# Altium PCB I2C_ESP32_Module.pcbdoc
Units mm, origin at the board's own origin, x right, y up, seen from the top; angles counter-clockwise.
Board outline 31.15 x 20.13 mm, 4 copper layers (Top Layer, L1, L2, Bottom Layer), stack 1.873 mm thick; 24 components, 26 nets, 171 pads, 39 vias.
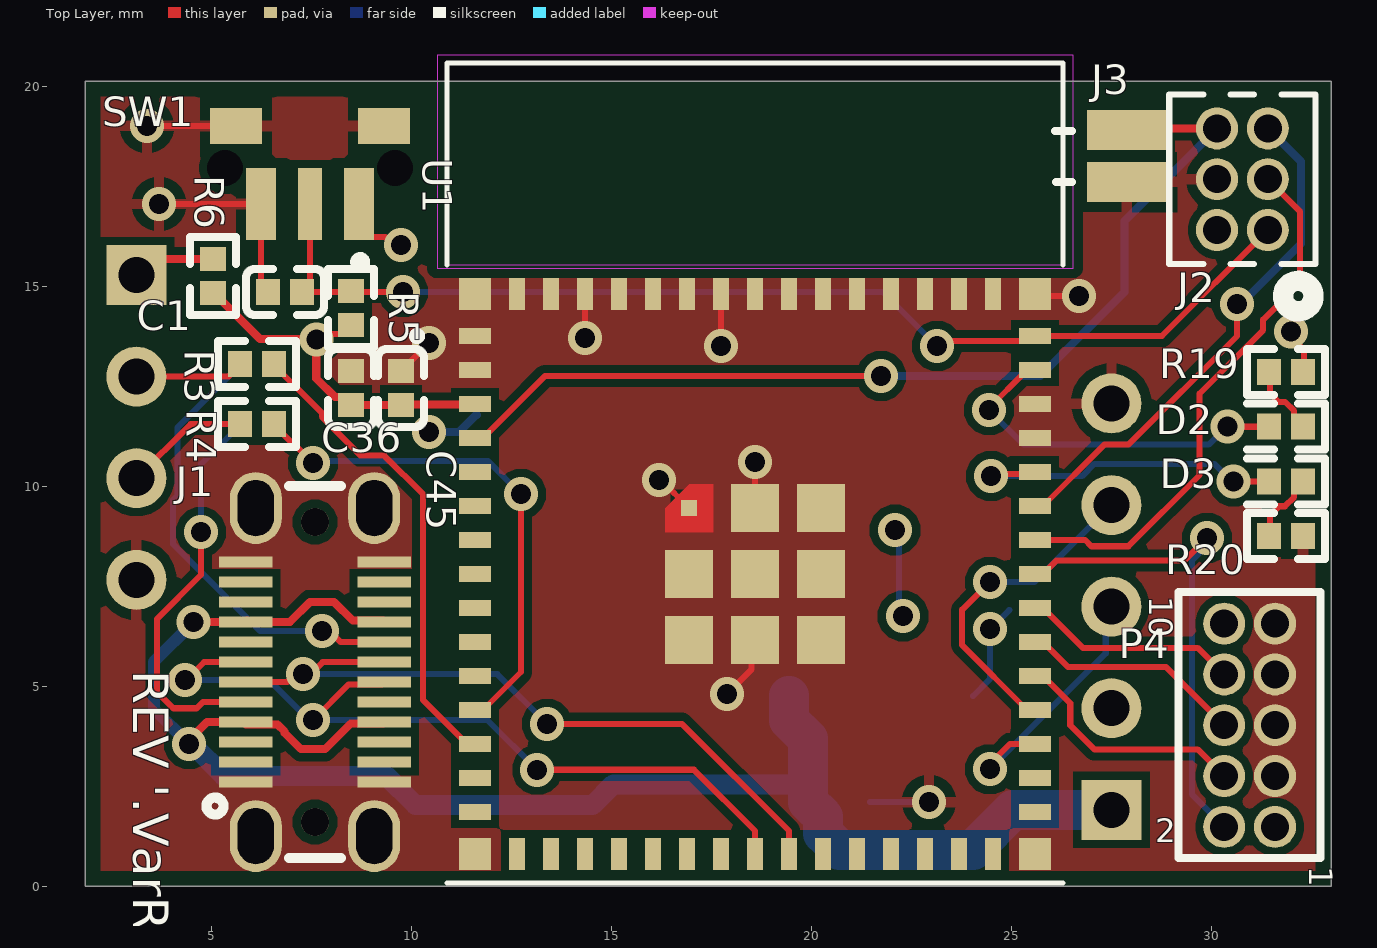
[diagram p0: Top Layer view]
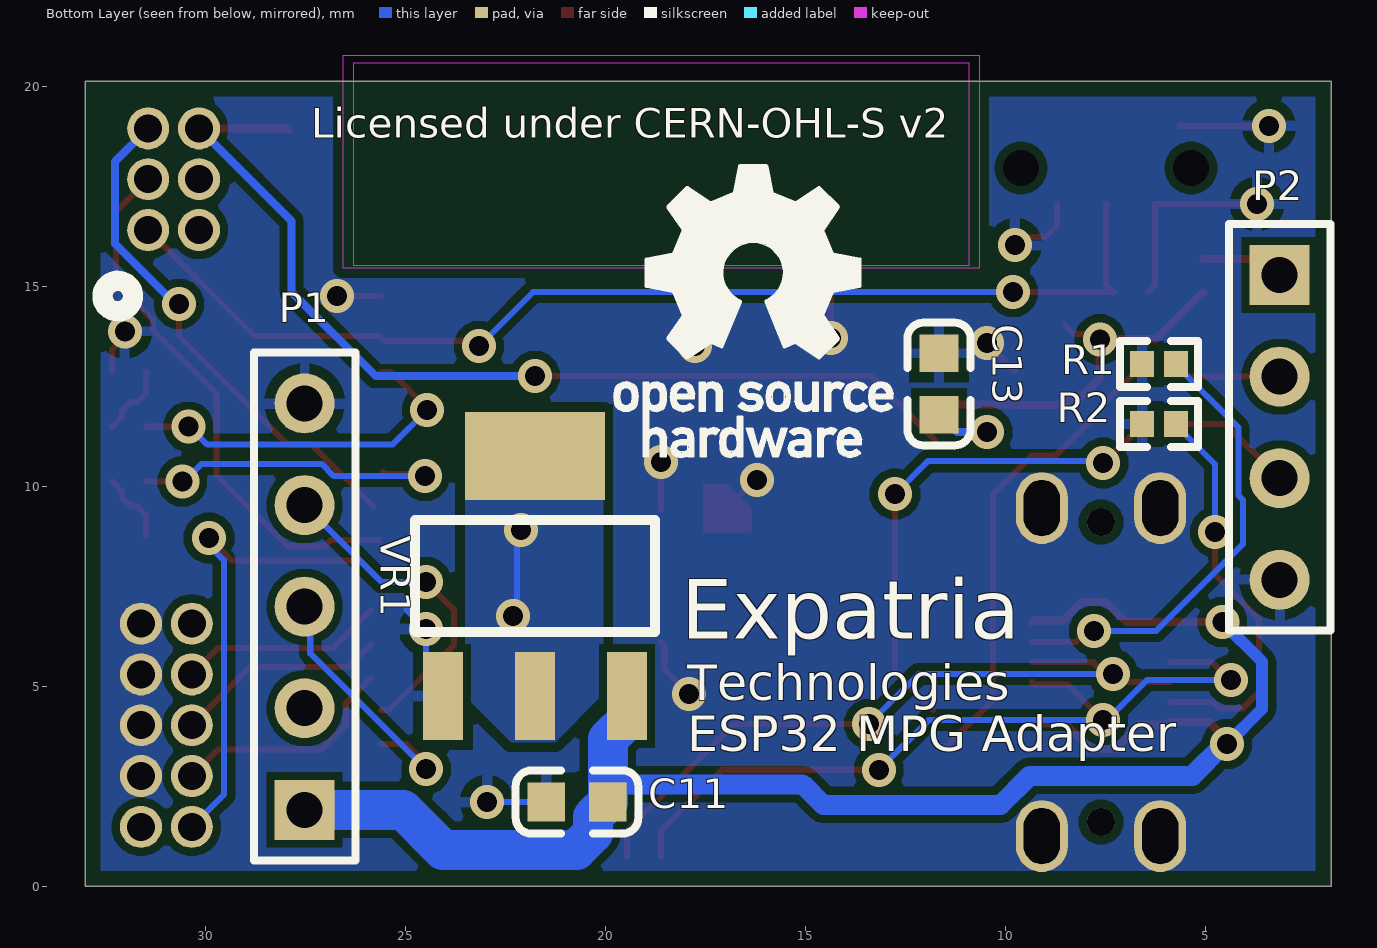
[diagram p1: Bottom Layer view, seen from below]
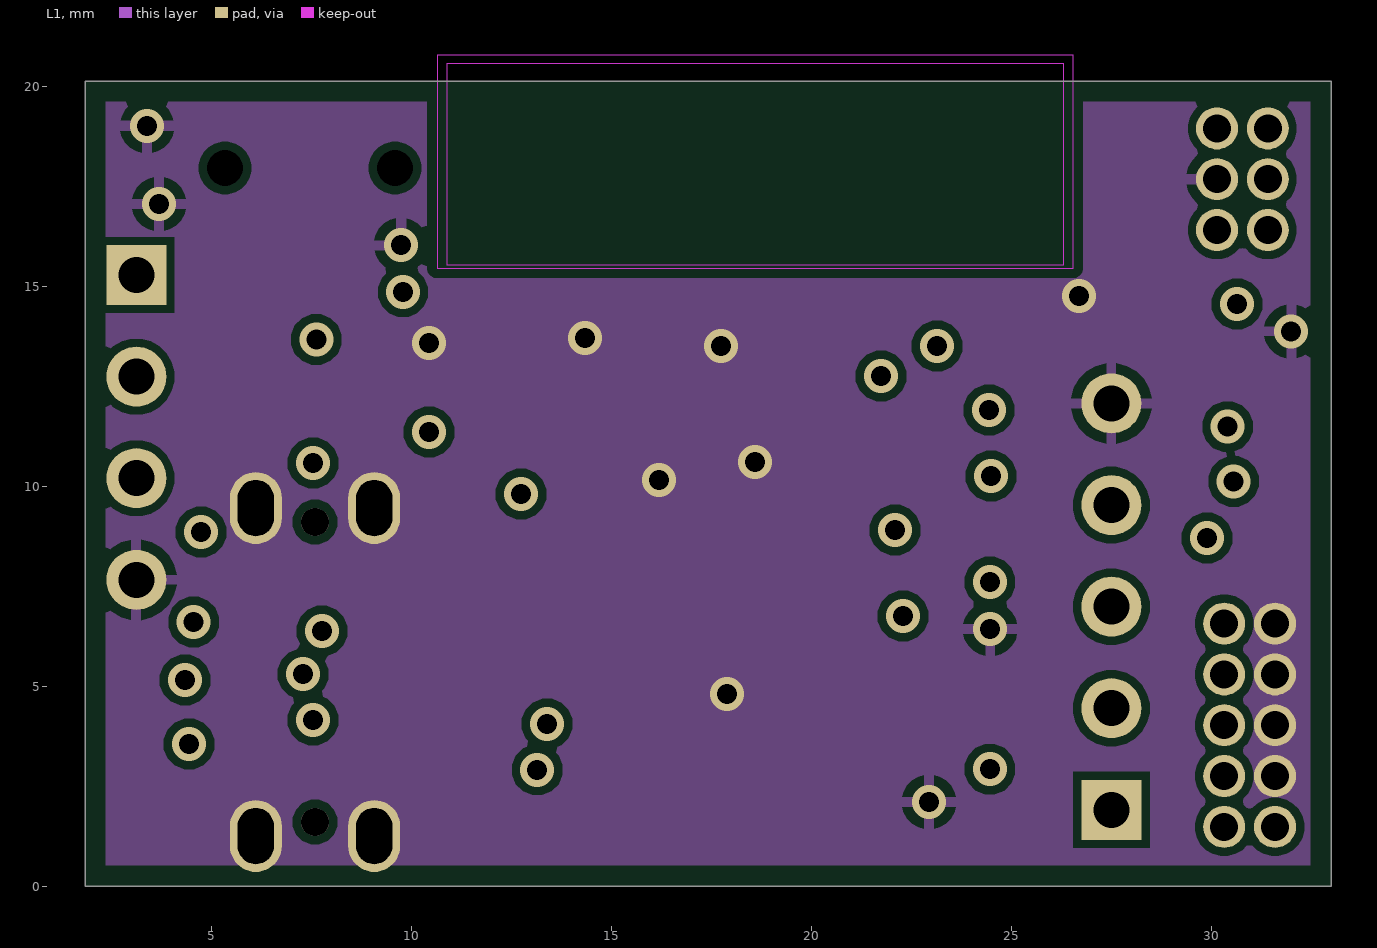
[diagram p2: L1]
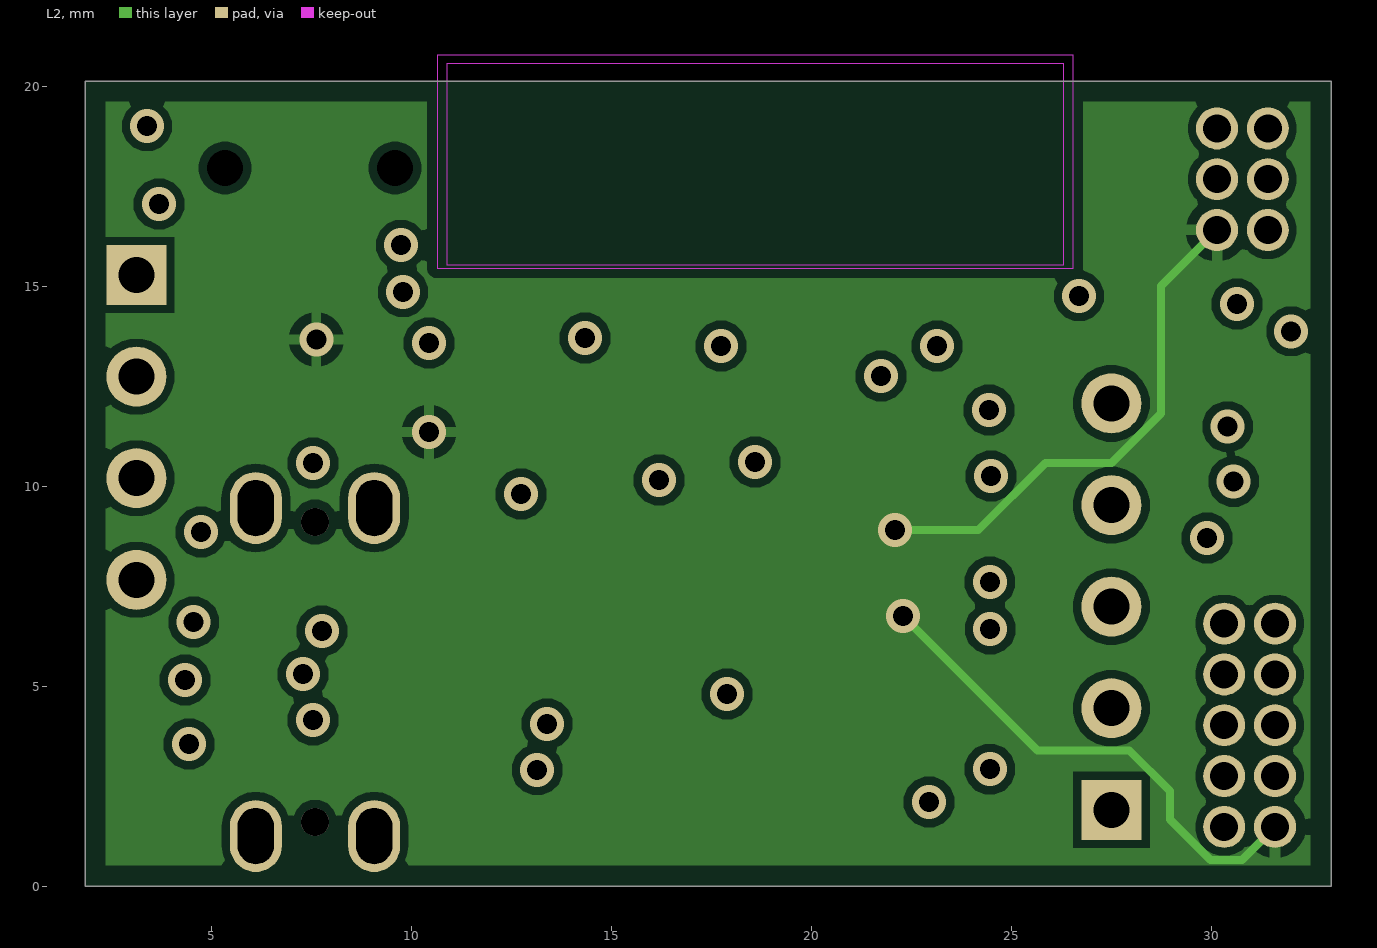
[diagram p3: L2]
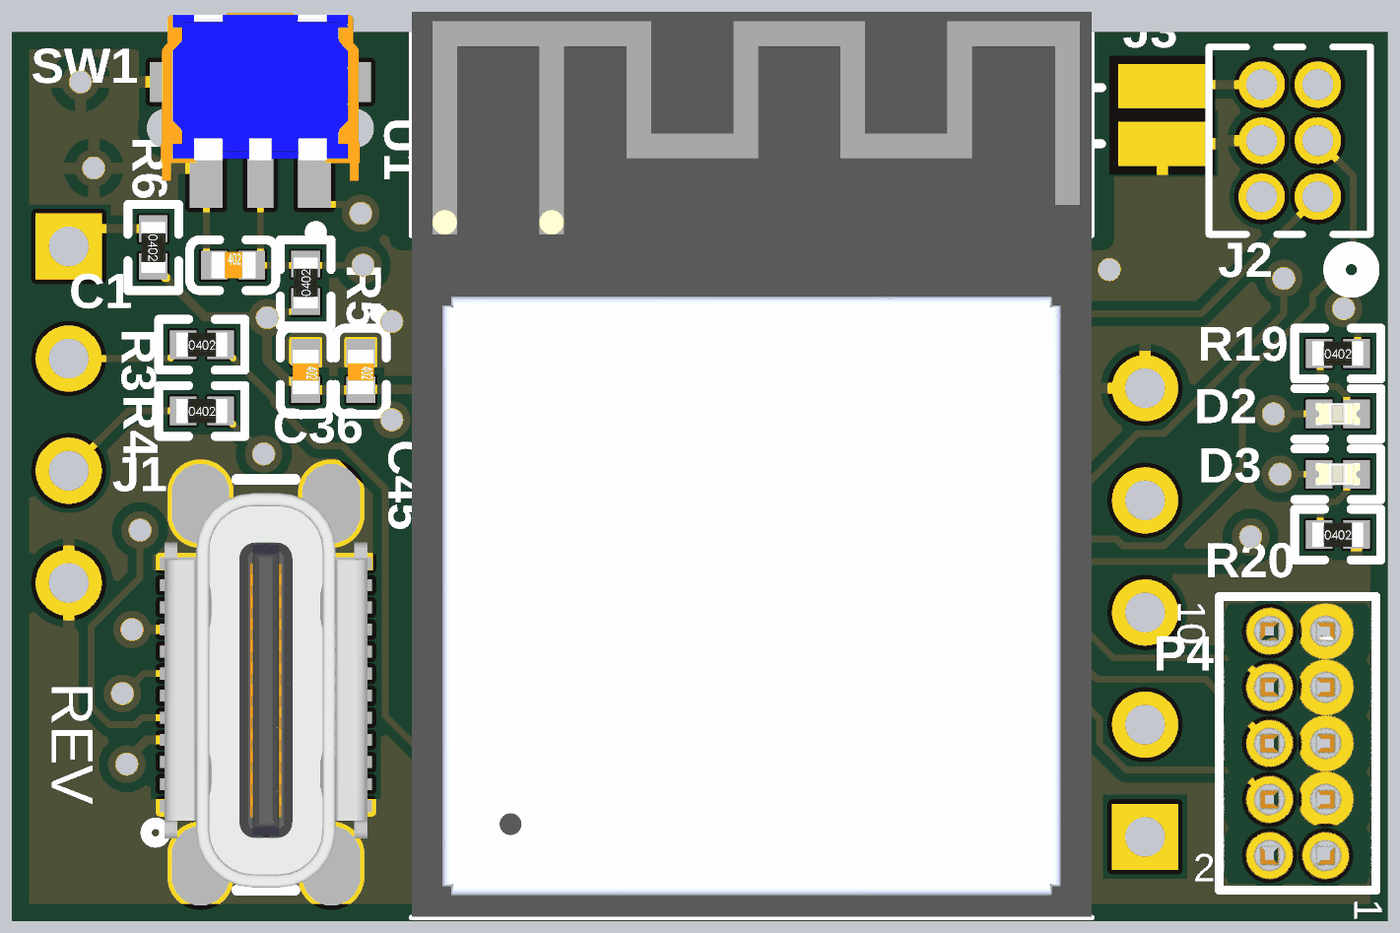
[diagram p4: 3D render of the assembled board from above, using the file's embedded part models]
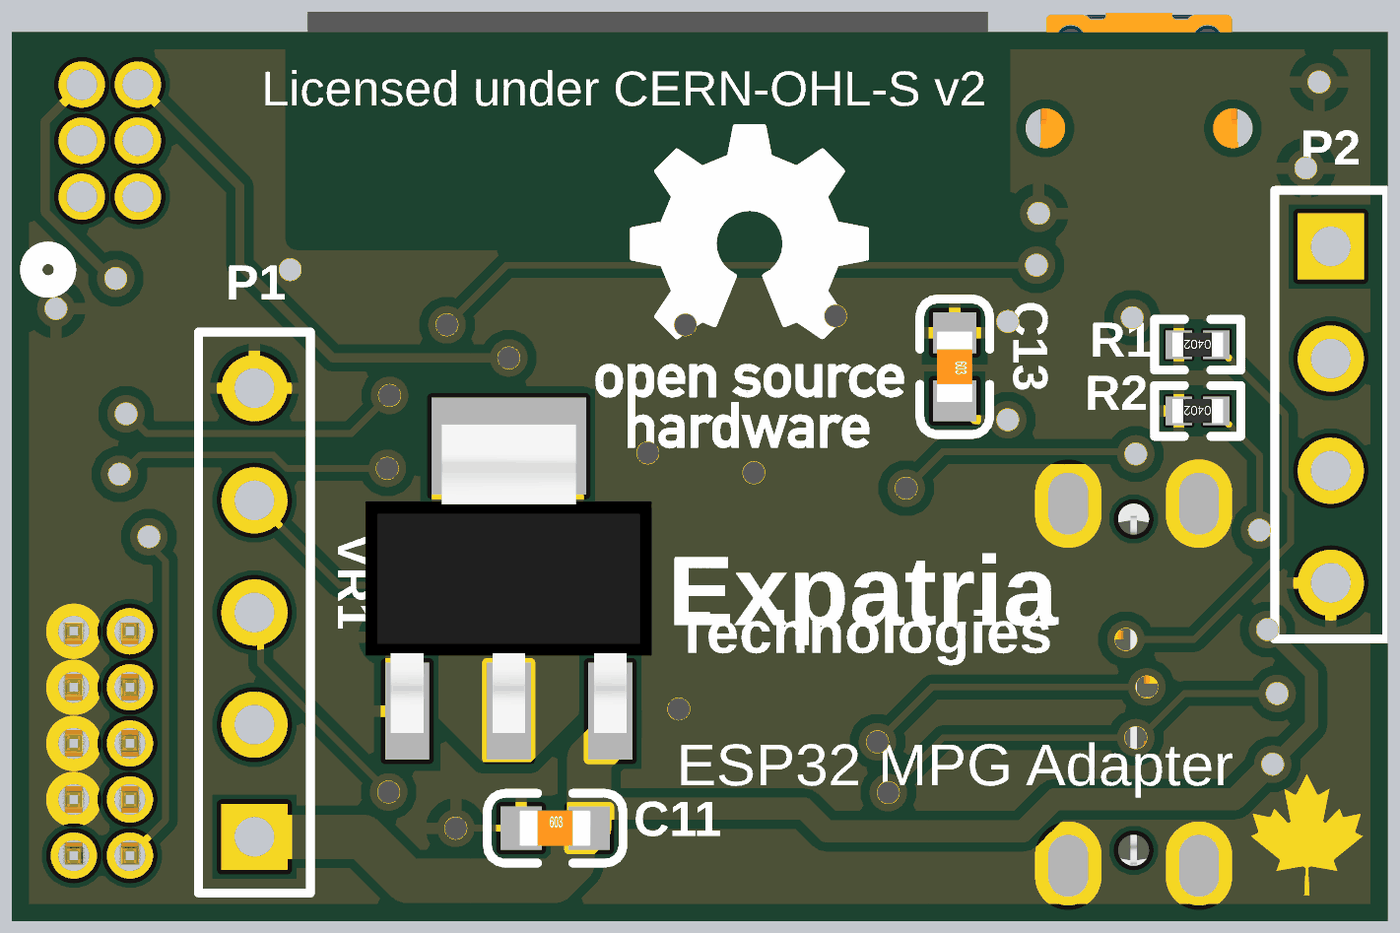
[diagram p5: 3D render of the assembled board from below, using the file's embedded part models]

## Layer stack, top to bottom
Top Solder: solder mask 0.0102, Solder Resist, Dk 3.5
Top Layer: signal copper 0.0356
Dielectric 1: prepreg 0.0711, PP-006, Dk 4.1
L1: signal copper 0.035
Dielectric1: dielectric 1.59, FR-4, Dk 4.8
L2: signal copper 0.035
Dielectric 2: prepreg 0.0711, PP-006, Dk 4.1
Bottom Layer: signal copper 0.0356
Bottom Solder: solder mask 0.0102, Solder Resist, Dk 3.5

## Board outline
1.85,0 1.85,20.125 33,20.125 33,0

## Design rules (kind name [scope] priority, off if disabled: settings)
BoardOutlineClearance [OnLayer('Top Layer')] p1: gap=0.381 ignorepadtopadclearanceinfootprint=FALSE
BoardOutlineClearance BoardOutlineClearance_3 [OnLayer('L2')] p2: gap=0.508 ignorepadtopadclearanceinfootprint=FALSE
BoardOutlineClearance BoardOutlineClearance_2 [OnLayer('L1')] p3: gap=0.508 ignorepadtopadclearanceinfootprint=FALSE
BoardOutlineClearance BoardOutlineClearance_1 [OnLayer('Bottom Layer')] p4: gap=0.381 ignorepadtopadclearanceinfootprint=FALSE
Clearance [All] p1: gap=0.203 ignorepadtopadclearanceinfootprint=TRUE except(0: SMDPad-Hole Fill-Hole Poly-Hole Region-Hole Text-Hole; 0.254: Arc-Text Arc-Hole Track-Text Track-Hole SMDPad-Text THPad-Text Via-Via Via-Text Fill-Fill Fill-Poly Fill-Region Fill-Text Poly-Poly Poly-Region Poly-Text Region-Region Region-Text Text-Text; 0.305: SMDPad-Via THPad-Via; 0.5: THPad-Hole Via-Hole; 0.508: SMDPad-SMDPad SMDPad-THPad THPad-THPad)
Clearance "Pad Clearance" [IsPad vs IsPad] p2: gap=0.254 ignorepadtopadclearanceinfootprint=TRUE except(0: Arc-Hole Track-Hole SMDPad-Hole THPad-Hole Via-Hole Fill-Hole Poly-Hole Region-Hole Text-Hole; 0.203: Arc-Arc Arc-Track Arc-Fill Arc-Poly Arc-Region Track-Track Track-Fill Track-Poly Track-Region SMDPad-Fill SMDPad-Poly SMDPad-Region THPad-Fill THPad-Poly THPad-Region Via-Fill Via-Poly Via-Region; 0.305: SMDPad-Via THPad-Via; 0.508: SMDPad-SMDPad SMDPad-THPad THPad-THPad)
DiffPairsRouting [All] p1: maxlimit=0.254 minlimit=0.203 mostfreqgap=0.203 toplayer_minwidth=0.152 toplayer_maxwidth=0.381 toplayer_prefwidth=0.254 midlayer1_minwidth=0.152 midlayer1_maxwidth=0.381 midlayer1_prefwidth=0.254 midlayer2_minwidth=0.152 midlayer2_maxwidth=0.381 midlayer2_prefwidth=0.254 bottomlayer_minwidth=0.152 bottomlayer_maxwidth=0.381 bottomlayer_prefwidth=0.254 maxuncoupledlength=12.7
HoleSize [All] p1: absolutevalues=TRUE maxlimit=5.08 minlimit=0.025 maxpercent=80.000 minpercent=20.000
MinimumAnnularRing [All] p1: minimumring=0.16
MinimumSolderMaskSliver [All] p1: minsoldermaskwidth=0.127
PolygonConnect [All] p1: connectstyle=Relief reliefconductorwidth=0.254 reliefentries=4 polygonreliefangle="90 Angle" airgapwidth=0.254
RoutingVias [All] p1: holewidth=0.711 width=1.27 viastyle="Through Hole" minholewidth=0.711 minwidth=1.27 maxholewidth=0.711 maxwidth=1.27 useviatemplates=TRUE viatemplateguid#1={DAAB9991-4F4F-4E19-B013-B317EB39AD6D} viatemplateguid#2={258D7197-C609-4471-9505-9E0C03CAD9C0} viatemplateguid#3={D39E41F5-8267-4748-81A6-174FE524DF15} viatemplatename#1=v85h50 viatemplatename#2=v127h71 viatemplatename#3=v56h20m0mx0_2670034071
SilkToSolderMaskClearance SilkscreenOverComponentPads [IsPad] p1: minsilkscreentomaskgap=0.254 clearancetoexposedcopper=TRUE
SolderMaskExpansion [All] p1: expansion=0.102 istentingtop=FALSE
ViasUnderSMD [All] p1: allowed=FALSE
Width [All] p1: maxlimit=5.08 minlimit=0.152 preferedwidth=0.203 minimp=50.000000 maximp=50.000000 favimp=50.000000
26 further rules are at their usual default settings.

## Components (designator, comment, footprint, x,y, rotation, side; value= is the part's Value field where it differs from the comment)
C1 "4.7uF" 0402_C 6.85,14.85 r0 top
C11 "22uF" 0603_C 20.7,2.1 r180 bottom
C13 "22uF" 0603_C 11.65,12.55 r270 bottom
C36 "1.0uF" 0402_C 8.5,12.45 r270 top
C45 "100nF" 0402_C 9.75,12.45 r270 top
D2 "0402 Green" "LED 0402_1005 RED" 31.875,11.483 r0 top
D3 "0402 Red" "LED 0402_1005 RED" 31.875,10.117 r0 top
J1 "GT-USB-7061" USB-C-SMD_GT-USB-7061 7.6,5.35 r90 top
J2 "GRPB032VWVN-RC" CONN6_GRPB032VWVN-RC_SUL 30.15,16.4 r90 top
J3 "2 way net solder junction - Normally Open" 2waySolder_NO 27.9,18.25 r270 top
P1 "Header 5" HDR1X5 27.51,1.905 r90 bottom locked
P2 "Header 4" HDR1X4 3.135,15.275 r270 bottom locked
P4 "62201021121" 62201021121 30.965,4.02 r90 top
R1 "5.1KΩ ±1%" 0402_R 6.15,13.05 r0 bottom
R2 "5.1KΩ ±1%" 0402_R 6.15,11.55 r0 bottom
R3 "0Ω ±1%" 0402_R 6.15,13.05 r0 top
R4 "0Ω ±1%" 0402_R 6.15,11.55 r0 top
R5 "5.1KΩ ±1%" 0402_R 8.5,14.45 r90 top
R6 "0Ω ±1%" 0402_R 5.05,15.25 r270 top
R19 "1KΩ ±1%" 0402_R 31.875,12.85 r0 top
R20 "1KΩ ±1%" 0402_R 31.875,8.75 r0 top
SW1 "SKRTLAE010" ALPS-SKRTLAE010_V 7.475,18.025 r180 top
U1 "ESP32-S3-MINI-1-N8" XCVR_ESP32-S3-MINI-1-N8 18.6,7.801 r0 top locked
VR1 "AMS1117-3.3" SOT-223 21.75,7.75 r270 bottom

## Footprints (in the part's own frame and the unit in brackets; to place one, negate y for a bottom-side part, rotate by r counter-clockwise, add the part's x,y. Pads: shape width x height; smd on the part's side, far side on the other; paste and mask are expansions set on the pad)
2waySolder_NO [mm] "2 way net solder junction - Normally Open"
  rect 1x2 smd paste-1.016: 1(-0.65,0) 2(0.65,0)
  silkscreen extent -0.62,-1.8 0.65,-1.37
0402_C [mm]
  rect 0.6x0.65 smd mask+0.051: 1(-0.425,0) 2(0.425,0)
  silkscreen extent -0.97,-0.58 0.98,0.58, body extent -0.48,-0.3 0.52,0.3, height 0.2
0402_R [mm]
  rect 0.6x0.65 smd mask+0.051: 1(-0.425,0) 2(0.425,0)
  silkscreen extent -0.97,-0.58 0.97,0.58, body extent -0.57,-0.27 0.58,0.28, height 0.41
0603_C [mm]
  rect 0.93x0.98 smd: 1(-0.77,0) 2(0.77,0)
  silkscreen extent -1.53,-0.79 1.54,0.79, body extent -0.8,-0.4 0.8,0.4, height 0.3
62201021121 [mm] "Pin Header, pitch 1.27 mm, THT, Vertical, dual row, 10p"
  round 1.05 hole 0.7: 1(-2.54,-0.635) 2(-2.54,0.635) 3(-1.27,-0.635) 4(-1.27,0.635) 5(0,-0.635) 6(0,0.635) 7(1.27,-0.635) 8(1.27,0.635) 9(2.54,-0.635) 10(2.54,0.635)
  silkscreen extent -3.32,-1.78 3.32,1.77, body extent -3.17,-1.7 3.18,1.7, height 5.33
ALPS-SKRTLAE010_V [mm] "SMD, 3-Leads, Body 4.5x3.55mm, Pitch 1.225mm"
  rect 0.75x1.8 smd: 1(-1.225,0.975) 3(1.225,0.975)
  rect 0.6x1.8 smd: 2(0,0.975)
  round 0 hole 0.9 unplated: MH1(-2.125,0.075) MH2(2.125,0.075)
  rect 1.3x0.9 smd: MP1(-1.85,-0.975) MP2(1.85,-0.975)
  silkscreen extent -1.38,2.3 -1.13,2.55, body extent -2.25,-1.94 2.25,1.61, height 3.36
CONN6_GRPB032VWVN-RC_SUL [mm]
  round 1.05 hole 0.7: 1(0,-1.27) 2(0,0) 3(1.27,-1.27) 4(1.27,0) 5(2.54,-1.27) 6(2.54,0)
  silkscreen extent -2.03,-2.46 3.39,1.19
HDR1X4 [mm] "Connector; Header; 4 Position"
  rect 1.5x1.5 hole 0.9: 1(0,0)
  round 1.5 hole 0.9: 2(2.54,0) 3(5.08,0) 4(7.62,0)
  silkscreen extent -1.27,-1.27 8.89,1.27
HDR1X5 [mm] "Connector; Header; 5 Position"
  rect 1.5x1.5 hole 0.9: 1(0,0)
  round 1.5 hole 0.9: 2(2.54,0) 3(5.08,0) 4(7.62,0) 5(10.16,0)
  silkscreen extent -1.27,-1.27 11.43,1.27
"LED 0402_1005 RED" [mm] "Chip Diode, 2-Leads, Body 1.00x0.50mm, IPC Medium Density"
  rect 0.6x0.65 smd mask+0.051: A(-0.425,0) K(0.425,0)
  silkscreen extent -0.98,-0.57 0.98,0.57, body extent -0.5,-0.25 0.5,0.25, height 0.21
SOT-223 [mm]
  rect 2.2x1 smd: 1(3,-2.3) 2(3,0) 3(3,2.3)
  rect 2.2x3.5 smd: 2(-3,0)
  silkscreen extent -1.4,-3 1.4,3, body extent -3.49,-3.24 3.49,3.24, height 1.64
USB-C-SMD_GT-USB-7061 [mm]
  oval 1.8x1.3 hole 0.9 slot 1.4 at 0 deg: 1(-4.1,1.48) 2(4.1,1.48) 3(-4.1,-1.48) 4(4.1,-1.48)
  rect 0.27x1.34 smd: A1(-2.75,1.73) A2(-2.25,1.73) A3(-1.75,1.73) A4(-1.25,1.73) A5(-0.75,1.73) A6(-0.25,1.73) A7(0.25,1.73) A8(0.75,1.73) A9(1.25,1.73) A10(1.75,1.73) A11(2.25,1.73) A12(2.75,1.73) B1(2.75,-1.73) B2(2.25,-1.73) B3(1.75,-1.73) B4(1.25,-1.73) B5(0.75,-1.73) B6(0.25,-1.73) B7(-0.25,-1.73) B8(-0.75,-1.73) B9(-1.25,-1.73) B10(-1.75,-1.73) B11(-2.25,-1.73) B12(-2.75,-1.73)
  round 0.7 hole 0.7 unplated: ""(-3.75,0) ""(3.75,0)
  silkscreen extent -4.65,-0.65 4.65,2.71, body extent -5.3,-2.75 5.04,2.75, height 0.25
XCVR_ESP32-S3-MINI-1-N8 [mm]
  rect 0.8x0.4 smd: 1(-7,5.95) 2(-7,5.1) 3(-7,4.25) 4(-7,3.4) 5(-7,2.55) 6(-7,1.7) 7(-7,0.85) 8(-7,0) 9(-7,-0.85) 10(-7,-1.7) 11(-7,-2.55) 12(-7,-3.4) 13(-7,-4.25) 14(-7,-5.1) 15(-7,-5.95) 31(7,-5.95) 32(7,-5.1) 33(7,-4.25) 34(7,-3.4) 35(7,-2.55) 36(7,-1.7) 37(7,-0.85) 38(7,0) 39(7,0.85) 40(7,1.7) 41(7,2.55) 42(7,3.4) 43(7,4.25) 44(7,5.1) 45(7,5.95)
  rect 0.4x0.8 smd: 16(-5.95,-7) 17(-5.1,-7) 18(-4.25,-7) 19(-3.4,-7) 20(-2.55,-7) 21(-1.7,-7) 22(-0.85,-7) 23(0,-7) 24(0.85,-7) 25(1.7,-7) 26(2.55,-7) 27(3.4,-7) 28(4.25,-7) 29(5.1,-7) 30(5.95,-7) 46(5.95,7) 47(5.1,7) 48(4.25,7) 49(3.4,7) 50(2.55,7) 51(1.7,7) 52(0.85,7) 53(0,7) 54(-0.85,7) 55(-1.7,7) 56(-2.55,7) 57(-3.4,7) 58(-4.25,7) 59(-5.1,7) 60(-5.95,7)
  rect 0.4x0.4 smd paste-1 mask+0: 61_1(-1.65,1.65)
  rect 1.2x1.2 smd: 61_2(0,1.65) 61_3(1.65,1.65) 61_4(-1.65,0) 61_5(0,0) 61_6(1.65,0) 61_7(-1.65,-1.65) 61_8(0,-1.65) 61_9(1.65,-1.65)
  rect 0.8x0.8 smd: 62(-7,7) 63(-7,-7) 64(7,-7) 65(7,7)
  Top Layer region: -1.05,1.05 -2.25,1.05 -2.25,1.65 -1.65,2.25 -1.05,2.25
  Keep-Out Layer region: 7.7,7.725 -7.7,7.725 -7.7,12.775 7.7,12.775
  Keep-Out Layer region: 7.7,7.725 -7.7,7.725 -7.7,12.775 7.7,12.775
  silkscreen extent -8.55,-7.73 7.7,12.78, body extent -7.7,-7.71 7.7,12.79, height 2.55

## Part data
C1: library part "0402 4.7uF (475) 20% 10V", "Chip capacitor", Manufacturer="Samsung Electro-Mechanics", Package=0402, PartNumber=CL05A475MP5NRNC, SuppliersPartNumber=C23733, Tolerance=20%, VOLTAGE=10V, Capacitance=4.7uF, ComponentLink1Description="Supplier link", ComponentLink1URL=http://www.szlcsc.com/product/details_24469.html, Supplier=LC
C11 C13: library part "0603 22uF (226) 20% 6.3V", "Chip capacitors", Manufacturer="Samsung Electro-Mechanics", Package=0603, PartNumber=CL10A226MQ8NRNC, SuppliersPartNumber=C59461, Tolerance=20%, VOLTAGE=6.3V, Capacitance=22uF, ComponentLink1Description="Supplier link", ComponentLink1URL=http://www.szlcsc.com/product/details_60514.html, Supplier=LC
C36: library part "0402 1.0uF (105) 10% 25V", "Chip capacitor", Capacitance=1uF, Manufacturer="Samsung Electro-Mechanics", Package=0402, PartNumber=CL05A105KA5NQNC, SuppliersPartNumber=C52923, Tolerance=10%, VOLTAGE=25V, ComponentLink1Description="Supplier link", ComponentLink1URL=http://www.szlcsc.com/product/details_53938.html, Supplier=LC
C45: library part "0402 100nF (104) 10% 16V", "Chip capacitors", Manufacturer="Samsung Electro-Mechanics", Package=0402, PartNumber=CL05B104KO5NNNC, SuppliersPartNumber=C1525, Tolerance=10%, VOLTAGE=16V, Capacitance=100nF, ComponentLink1Description="Supplier link", ComponentLink1URL=http://www.szlcsc.com/product/details_1877.html, Supplier=LC
D2: library part "0402 LED Green", "LED", Color=Green, Package=0402, SuppliersPartNumber=C130723, Supplier=LC
D3: library part "0402 LED Red", "LED", Color=Red, Package=0402, SuppliersPartNumber=C130720, Supplier=LC
J1: library part USBC-GT-USB-7061, "CONN RCP USB3.1 TYPEC 24P SMD VERT", Manufacturer=G-Switch, SuppliersPartNumber=C2762983, Manufacturer Part Number=GT-USB-7061
J2: "Description", Manufacturer_Name=Sullins, Copyright="Copyright (C) 2025 Ultra Librarian. All rights reserved.", Manufacturer_Part_Number=GRPB032VWVN-RC, RefDes=RefDes, Type="Headers, Male Pins"
J3: library part 2waySolderNO, ComponentLink1Description=Source, ComponentLink1URL=http://www.edatools.cz/addons
P1: "Header, 5-Pin", SuppliersPartNumber=C50950, LatestRevisionDate=17-Jul-2002, LatestRevisionNote="Re-released for DXP Platform.", Publisher="Altium Limited"
P2: "Header, 4-Pin", SuppliersPartNumber=C2718488, Publisher="Altium Limited"
P4: library part CMP-1502-00948-1, "THT Vertical Pin Header WR-PHD, Pitch 1.27 mm, Dual Row, 10 pins", Contact Resistance=20mOhm, Manufacturer="Wurth Elektronik", Operating Temperature=-40to105degC, Rated Current=1A, Withstanding Voltage=500VAC, Working Voltage=100VAC, Datasheet URL=https://katalog.we-online.de/em/datasheet/62201021121.pdf, Gender=Male, Manufacturer URL=http://www.we-online.de, Mounting Technology=THT, Orientation=Vertical, Package Reference=62201021121, Packaging=Box, Part Number=62201021121, Pin Number=10, Pitch=1.27mm, Publisher=WurthElektronik, Row Number=Dual
R1 R2 R5: library part "0402 5.1K (5101) 1%", "Chip resistor", Manufacturer="Uniroyal Elec", Package=0402, PartNumber=0402WGF5101TCE, Power=1/16W, Resistance=51.1KΩ, SuppliersPartNumber=C25905, Tolerance=1%, ComponentLink1Description="Supplier link", ComponentLink1URL=http://www.szlcsc.com/product/details_26648.html, Supplier=LC
R3 R4 R6: library part "0402 0R (0R0) 1%", "Chip resistor", Manufacturer="Uniroyal Elec", Package=0402, PartNumber=0402WGF0000TCE, Power=1/16W, Resistance=0Ω, SuppliersPartNumber=C17168, Tolerance=1%, ComponentLink1Description="Supplier link", ComponentLink1URL=http://www.szlcsc.com/product/details_17853.html, Supplier=LC
R19 R20: library part "0402 1K (1001) 1%", "Chip resistor", Manufacturer="Uniroyal Elec", Package=0402, PartNumber=0402WGF1001TCE, Power=1/16W, Resistance=1KΩ, SuppliersPartNumber=C11702, Tolerance=1%, ComponentLink1Description="Supplier link", ComponentLink1URL=http://www.szlcsc.com/product/details_12256.html, Supplier=LC
SW1: library part CMP-2000-07073-2, "Side Push Type, 250 V, -40 to 90 degC, 3-Pin SMD, RoHS, Tape and Reel", Manufacturer=ALPS, Maximum Current Rating=0.05@12VDCA, Maximum DC Voltage Rating=12V, Operating Force=1.6N, Package Description="3-Pin Surface Mount Device, Body 4.5 x 3.55 mm, Pitch 1.225 mm", SuppliersPartNumber=C110293, AccessRights=2147483647, ContentType="Unified Component", ContentTypeGUID=CB3C11C4-E317-11DF-B822-12313F0024A2, Datasheet URL=http://www.alps.com/prod/info/E/PDF/Tact/SurfaceMount/SKRT/SKRT.PDF, Datasheet Version=06/2015, Folder="Unified Components\Components\New Releases\New\", FolderGUID=B7F4506A-9127-42E7-A087-46FE7B18D116, ItemGUID=EAC55BEC-37DC-4BDB-8BA7-D75E6D5C3D75, ItemHRID=CMP-2000-07073, LifeCycle=Released, LifeCycleStateGUID=61E382EE-6656-4F12-9E24-BE9327104A25, Manufacturer 1=ALPS, Manufacturer URL=http://www.alps.com/e/, Mounting=SurfaceMount, Mounting Technology=SurfaceMount, Package Reference=SKRTLAE010, Packaging=Tape&Reel, Pole Throw Configuration=SPST, Rad Hard=No, ReleaseDate="22/09/2017 06:13:25 AM", RevisionId=1, Switch Configuration=N.O.
U1: library part ESP32-S3-MINI-1U-N8, "Bluetooth, WiFi 802.11b/g/n, Bluetooth v5.0 Transceiver Module 2.4GHz Antenna", Package="VFQFN-56 Espressif Systems", MF="Espressif Systems", MP=ESP32-S3-MINI-1-N8
VR1: library part "SOT-223 AMS1117-3.3", "Vout=3.3V 1A 72dB@(120Hz) (LDO)", Manufacturer 1=AMS, Package=SOT-223, SuppliersPartNumber=C6186, ComponentLink1Description=供应商链接, ComponentLink1URL=http://www.szlcsc.com/product/details_6652.html, Manufacturer Part Number 1=AMS1117-3.3, Supplier=LC

## Via types
v1: diameter 0.85, hole 0.5, Top Layer to Bottom Layer, tented both sides, 39 vias

## Nets (pads, with @x,y where several pads share a name; then routed paths per layer and width w, separated by ;. In a path a pad name is that pad's centre, name@x,y a point inside that pad or via, vN(x,y) a via of type N, cw(c..) or ccw(c..) an arc to the next point about the centre after c; other vN are vias at no path point)
+3.3V_MCU: C13.2 C36.2 C45.2 J2.2 P4.1 R5.1 R6.2 U1.3 VR1.2 | length 38.5
  Top Layer w0.152: v1(7.631,13.662) 7.82,13.662 7.959,13.801 8.276,13.801 R5.1
  Top Layer w0.203: R6.2 5.075,14.825 6.22,13.68 7.613,13.68 v1(7.631,13.662) 7.631,12.688 8.096,12.223 8.302,12.223 C36.2 C45.2 9.763,12.038 U1.3@11.562,12.038
  L2 w0.203: v1(22.1,8.9) 24.182,8.9 25.861,10.58 27.516,10.58 28.752,11.816 28.752,15.002 J2.2 ; v1(22.3,6.75) 25.66,3.39 27.955,3.39 28.971,2.375 28.971,1.666 29.986,0.65 30.77,0.65 P4.1
  Bottom Layer w0.152: v1(22.1,8.9) 22.2,8.8 22.2,6.85 v1(22.3,6.75)
  Bottom Layer w0.203: v1(10.45,11.35) 11.195,11.35 11.625,11.78 C13.2
+5V_CONN: C11.2 J1.A4 J1.A9 J1.B4 J1.B9 P1.1 VR1.3 | length 42.8
  Top Layer w0.2: v1(4.45,3.55) 4.45,3.65 4.9,4.1 J1.A4 ; v1(4.568,6.6) J1.A9 5.905,6.635 5.94,6.6 6.969,6.6 7.472,7.103 8.076,7.103 8.544,6.635 9.295,6.635 J1.B4 ; J1.A4@5.87,4.038 6.665,4.038 6.843,3.86 6.843,3.828 7.248,3.422 7.852,3.422 8.495,4.065 9.295,4.065 J1.B9
  Bottom Layer w0.3: v1(4.45,3.55) 3.572,4.428 3.572,5.604 v1(4.568,6.6)
  Bottom Layer w0.5: v1(4.45,3.55) 4.523,3.55 5.317,2.756 9.384,2.756 10.112,2.028 14.542,2.028 15.057,2.543 19.512,2.543 19.93,2.125 C11.2
  Bottom Layer w1: VR1.3 19.45,4.15 19.93,3.67 C11.2@19.93,2.125 ; C11.2 20.302,1.728 20.302,1.319 20.714,0.907 24.052,0.907 25.05,1.905 P1.1
DP_mod_n: J1.A7 J1.B7 U1.23 | length 20.3
  Top Layer w0.152: v1(4.35,5.15) 4.374,5.15 4.824,5.6 J1.A7 ; v1(7.55,4.15) 8.441,5.041 9.271,5.041 J1.B7 ; v1(13.156,2.906) 17.072,2.906 18.6,1.379 U1.23@18.6,0.75
  Bottom Layer w0.152: v1(4.35,5.15) 6.454,5.15 7.454,4.15 11.912,4.15 v1(13.156,2.906)
DP_mod_p: J1.A6 J1.B6 U1.24 | length 18.1
  Top Layer w0.152: J1.A6 6.911,5.1 7.111,5.3 7.489,5.3 7.789,5.6 J1.B6 ; v1(13.4,4.056) 16.773,4.056 19.45,1.379 U1.24@19.45,0.75
  Bottom Layer w0.152: v1(7.3,5.3) 12.156,5.3 v1(13.4,4.056)
ESP_EN: C1.2 J2.1 R5.2 SW1.2 U1.45 | length 28.2
  Top Layer w0.152: SW1.2 7.475,15.05 C1.2 v1(9.8,14.85) ; v1(23.15,13.5) 23.277,13.627 25.527,13.627 25.651,13.751 28.771,13.751 J2.1
  Bottom Layer w0.152: v1(9.8,14.85) 21.8,14.85 v1(23.15,13.5)
ESP_IO0: J2.6 J3.1 U1.4 | length 24.9
  Top Layer w0.152: U1.4@11.749,11.15 13.349,12.75 v1(21.75,12.75)
  Top Layer w0.203: J3.1 27.94,18.94 J2.6
  Bottom Layer w0.203: v1(21.75,12.75) 25.732,12.75 27.837,14.855 27.837,16.627 J2.6
ESP_RXD: J2.5 U1.40 | length 12.9
  Top Layer w0.152: U1.40@25.8,9.501 27.335,11.036 27.936,11.036 30.65,13.749 v1(30.65,14.55)
  Bottom Layer w0.203: v1(30.65,14.55) 30.743,14.55 32.25,16.056 32.25,18.11 J2.5
ESP_TXD: J2.3 U1.39 | length 13.6
  Top Layer w0.152: U1.39@25.651,8.651 26.853,8.651 27.008,8.496 27.936,8.496 29.712,10.272 29.712,12.309 31.302,13.898 31.302,14.159 32.224,15.082 32.224,16.866 J2.3
GND: C1.1 C11.1 C13.1 C36.1 C45.1 J1.1 J1.2 J1.3 J1.4 J1.A1 J1.A12 J1.B1 J1.B12 J2.4 J3.2 P1.5 P2.4 P4.3 P4.5 P4.7 P4.9 R1.2 R2.2 R19.2 R20.2 SW1.1 SW1.3 SW1.MP1 SW1.MP2 U1.1 U1.2 U1.42 U1.43 U1.46 U1.47 U1.48 U1.49 U1.50 U1.51 U1.52 U1.53 U1.54 U1.55 U1.56 U1.57 U1.58 U1.59 U1.60 U1.61_1 U1.61_2 U1.61_3 U1.61_4 U1.61_5 U1.61_6 U1.61_7 U1.61_8 U1.61_9 U1.62 U1.63 U1.64 U1.65 VR1.1 | length 22.2
  Top Layer w0.152: v1(3.4,19) SW1.MP2 ; v1(3.7,17.05) SW1.3 6.25,15.025 C1.1 ; SW1.1 8.7,16.525 8.999,16.226 9.358,16.226 9.56,16.024 v1(9.749,16.024) ; C45.1 9.775,12.875 9.999,13.099 9.999,13.124 v1(10.45,13.575) ; v1(14.35,13.7) U1.58@14.35,14.75 ; v1(16.2,10.15) 16.251,10.15 U1.61_1 ; v1(17.75,13.5) U1.54@17.75,14.75 ; v1(17.9,4.8) 18.511,5.411 18.511,6.011 U1.61_8@18.6,6.1 ; U1.61_2@18.6,9.4 v1(18.6,10.6) ; U1.65@25.6,14.75 v1(26.7,14.75) ; v1(32.006,13.867) 32.006,13.723 32.325,13.404 R19.2@32.325,12.85
  Bottom Layer w0.152: C11.1 v1(22.95,2.1) ; VR1.1 24.474,5.174 24.474,6.418 24.956,6.9
  other v1: 24.481,6.425
HALT_host: P1.3 U1.33 | length 6.8
  Top Layer w0.152: v1(24.47,2.92) 24.47,3.05 24.971,3.551 U1.33
  Bottom Layer w0.152: v1(24.47,2.92) 27.368,5.818 27.368,6.843 P1.3
KPSTR_host: P1.4 U1.34 | length 8.2
  Top Layer w0.152: v1(24.47,7.6) 23.777,6.906 23.777,6.024 25.4,4.401 U1.34
  Bottom Layer w0.152: v1(24.47,7.6) 25.585,7.6 P1.4
LED_G: D2.A U1.44 | length 9.1
  Top Layer w0.152: v1(24.45,11.9) 24.45,11.951 25.349,12.85 U1.44@25.6,12.85 ; v1(30.417,11.483) D2.A@31.475,11.483
  Bottom Layer w0.152: v1(24.45,11.9) 25.314,11.036 29.94,11.036 30.387,11.483 v1(30.417,11.483)
LED_R: D3.A U1.41 | length 8.4
  Top Layer w0.152: v1(24.5,10.25) 24.55,10.3 25.5,10.3 U1.41@25.55,10.35 ; v1(30.567,10.117) D3.A@31.475,10.117
  Bottom Layer w0.152: v1(24.5,10.25) 26.779,10.25 27.084,10.554 30.08,10.554 30.517,10.117 v1(30.567,10.117)
NetD2_K: D2.K R19.1 | length 1.8
  Top Layer w0.152: R19.1@31.475,12.85 31.475,12.325 31.699,12.101 31.852,12.101 32.076,11.877 32.076,11.732 D2.K@32.325,11.483
NetD3_K: D3.K R20.1 | length 1.8
  Top Layer w0.152: R20.1@31.475,8.75 31.475,9.267 31.703,9.495 31.848,9.495 32.076,9.723 32.076,9.868 D3.K@32.325,10.117
NetP2_1: P2.1 R6.1 | length 2.1
  Top Layer w0.203: P2.1 3.535,15.675 R6.1
NetP2_2: P2.2 R3.1 | length 2.7
  Top Layer w0.152: P2.2 5.435,12.735 5.725,13.025 R3.1
NetP2_3: P2.3 R4.1 | length 3.2
  Top Layer w0.152: P2.3 4.49,11.55 R4.1
SCL_host: R3.2 U1.13 | length 12.1
  Top Layer w0.152: R3.2 6.575,13.025 7.771,11.829 7.771,11.734 8.743,10.762 9.332,10.762 10.304,9.79 10.304,4.646 11.451,3.5 U1.13@11.6,3.5
SDA_host: R4.2 U1.12 | length 12.8
  Top Layer w0.152: R4.2 6.575,11.525 7.048,11.052 7.073,11.052 v1(7.55,10.575) ; U1.12@11.8,4.401 12.75,5.351 v1(12.75,9.8)
  Bottom Layer w0.152: v1(7.55,10.575) 7.604,10.629 11.921,10.629 v1(12.75,9.8)
TCK: P4.4 U1.35 | length 5.9
  Top Layer w0.152: U1.35@25.851,5.2 26.481,4.57 26.481,4.019 27.084,3.416 29.664,3.416 P4.4@30.365,2.715
TDI: P4.8 U1.37 | length 5.2
  Top Layer w0.152: U1.37@25.851,6.9 26.795,5.956 29.664,5.956 P4.8@30.365,5.255
TDO: P4.6 U1.36 | length 5.4
  Top Layer w0.152: U1.36@25.851,6.05 26.427,5.474 28.876,5.474 P4.6@30.365,3.985
TMS: P4.2 U1.38 | length 12.2
  Top Layer w0.152: U1.38@25.749,7.75 26.139,8.14 29.34,8.14 v1(29.9,8.7)
  Bottom Layer w0.152: v1(29.9,8.7) 29.9,8.524 29.526,8.15 29.526,2.284 P4.2@30.319,1.491
USBC_CC1_mod: J1.A5 R2.1 | length 10
  Top Layer w0.152: v1(4.75,8.85) 4.75,7.778 3.646,6.674 3.646,4.858 4.058,4.446 4.642,4.446 4.796,4.6 J1.A5
  Bottom Layer w0.152: v1(4.75,8.85) 4.75,10.55 5.725,11.525 R2.1
USBC_CC2_mod: J1.B5 R1.1 | length 11.5
  Top Layer w0.152: v1@7.859,6.321 8.017,6.321 8.238,6.1 J1.B5
  Top Layer w0.2: v1(7.774,6.375) 7.804,6.375 v1@7.859,6.321
  Bottom Layer w0.152: R1.1 5.725,13.025 4.164,11.464 4.164,9.769 4.046,9.65 4.046,8.558 6.229,6.375 7.725,6.375 v1@7.75,6.4
pads on no net: J1. J1.A2 J1.A3 J1.A8 J1.A10 J1.A11 J1.B2 J1.B3 J1.B8 J1.B10 J1.B11 P1.2 P4.10 SW1.MH1 SW1.MH2 U1.5 U1.6 U1.7 U1.8 U1.9 U1.10 U1.11 U1.14 U1.15 U1.16 U1.17 U1.18 U1.19 U1.20 U1.21 U1.22 U1.25 U1.26 U1.27 U1.28 U1.29 U1.30 U1.31 U1.32

## Polygon pours and split planes (outlines as drawn)
GND on Bottom Layer "NONET_L-01_P-001" (solid, pour order 5): 0,20.03 33.76,20.03 33.76,0.03 0,0.03
+3.3V_MCU on Bottom Layer "NONET_L-01_P-001" (solid, remove dead copper, pour order 1): 21.25,3.6 20.05,4.8 20.05,11.85 23.5,11.85 23.5,4.75 22.35,3.6
+3.3V_MCU on L2 "3v3" (solid, remove dead copper, pour order 0): 0,20.125 33,20.125 33,0.5 0,0.5
GND on Top Layer "NONET_L-01_P-001" (solid, remove dead copper, pour order 2): -0.875,20.125 33.76,20.125 33.76,0.03 -0.875,0.03
GND on L1 "NONET_L-01_P-001" (solid, remove dead copper, pour order 4): -0.875,20.03 33.76,20.03 33.76,0.03 -0.875,0.03

## Keep-outs
Keep-Out Layer:
  rectangle: 10.65,15.45 26.55,20.775

## Silkscreen, mask and mechanical layers (free items; w line width, h text height)
Top Overlay:
  text "REV '.VarRevNo'" at 2.75,5.4 h1.52 r270
Bottom Overlay:
  drawing of 679 lines, arcs and shapes, not listed
  text "Licensed under CERN-OHL-S v2" at 27.35,18.463 h1.27
  text "Expatria" at 18.1,5.7 h2.54
  text "Technologies" at 17.95,4.35 h1.52
  text "ESP32 MPG Adapter" at 17.95,3.07 h1.52
Bottom Solder:
  region: 3.646,1.179 3.615,0.58 3.738,0.58 3.707,1.168 cw(c3.776,1.168) 3.764,1.235 cw(c3.77,1.082) 3.783,1.235 4.369,1.132 4.29,1.35 cw(c4.371,1.373) 4.287,1.366 cw(c4.331,1.366) 4.303,1.4 4.945,1.92 4.801,1.987 cw(c4.82,2.027) 4.775,2.027 cw(c4.82,2.027) 4.777,2.041 4.904,2.431 4.535,2.353 cw(c4.529,2.403) 4.485,2.379 4.413,2.547 4.125,2.237 cw(c4.093,2.268) 4.093,2.224 cw(c4.094,2.269) 4.049,2.262 cw(c4.394,2.258) 4.049,2.276 4.188,2.994 3.965,2.865 cw(c3.943,2.903) 3.943,2.859 cw(c3.943,2.903) 3.903,2.883 3.677,3.328 3.45,2.883 cw(c3.411,2.903) 3.411,2.859 cw(c3.411,2.903) 3.388,2.865 3.165,2.994 3.304,2.276 cw(c3.254,2.273) 3.266,2.224 cw(c3.263,2.275) 3.229,2.237 2.94,2.547 2.869,2.379 cw(c2.828,2.396) 2.828,2.352 2.449,2.431 2.576,2.041 cw(c2.534,2.027) 2.578,2.027 cw(c2.534,2.027) 2.553,1.987 2.408,1.92 3.05,1.4 cw(c3.022,1.366) 3.066,1.366 cw(c3.022,1.366) 3.064,1.35 2.985,1.132 3.57,1.235 cw(c3.594,0.955) 3.585,1.236 cw(c3.581,1.171)
Mechanical 6:
  the board outline again, w0.254

## Text inside footprints (layer, text, board x,y; h text height)
J2: Mechanical 13 "RefDes2" at 31.42,15.448 h1.27 r90
P4: Top Overlay "10" at 28.25,7.25 h1.02 r270; Top Overlay "1" at 32.25,0.5 h1.02 r270; Top Overlay "2" at 28.6,0.9 h1.02